# KiCad board for_real_486_rc13.kicad_pcb (continued)
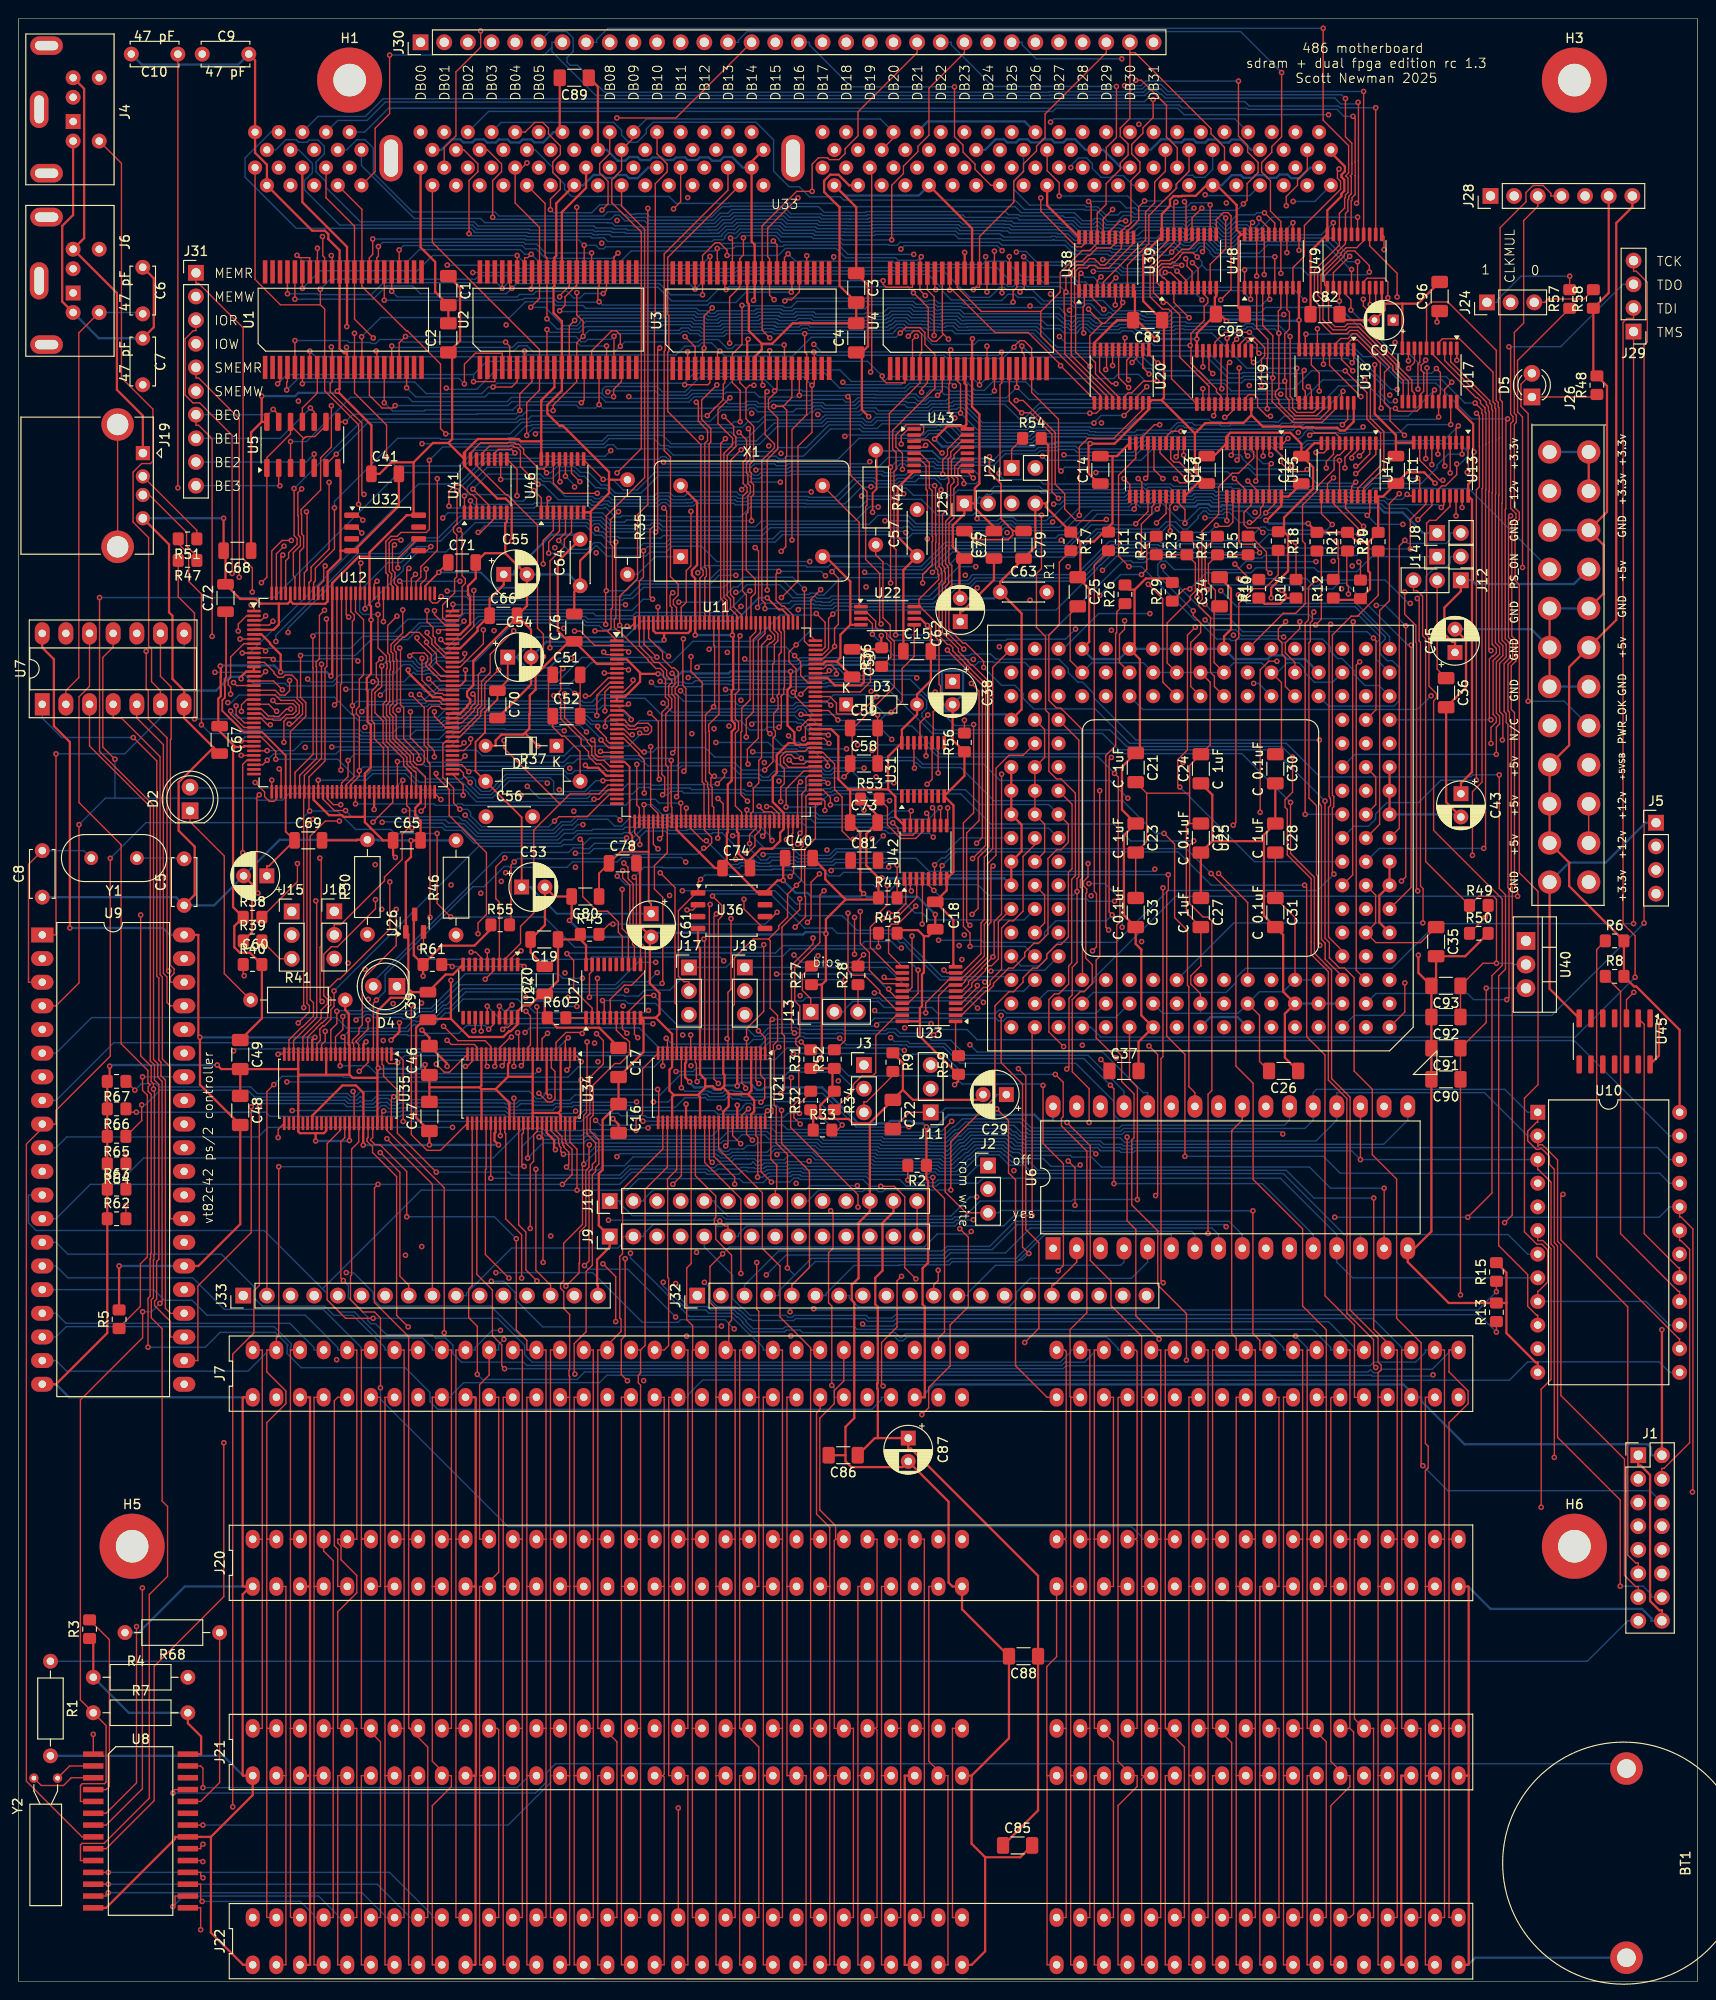
[diagram p0: board, top side]
## Routing (per net, layer and track width the routed paths; a pad name or vN(x,y) marks a point on that pad's centre or on a via; arc(x,y) is an arc through that point) (continued)
S1: length 83.6
  Top w0.15: U12.10 v1(24.03,142.68)
  In2.Cu w0.15: v1(63.61,164.43) 68.17,168.98 68.17,178.79 68.35,178.98 68.35,193.34 66.87,194.82 U33.30
  Bottom w0.15: v1(63.61,164.43) 63,163.82 56.42,163.82 56.2,163.6 50.05,163.6 47.28,160.83 42.96,160.83 24.81,142.68 v1(24.03,142.68)
S2: length 105.7
  Top w0.15: U12.9 26.24,143.18 v1(26.53,142.9)
  In2.Cu w0.15: U33.45 86.78,186.99 86.78,171.92 86.51,171.64 86.51,170.9 83.96,168.35 83.96,167.85 82.79,166.69 82.79,164.19 82.44,163.84 82.44,155.75 78.56,151.87 v1(78.56,149.36)
  Bottom w0.15: v1(78.56,149.36) 78.38,149.36 76.06,147.03 66.32,147.03 65.97,146.68 62.01,146.68 61.73,146.96 47.88,146.96 46.83,145.91 43.05,145.91 41.61,144.47 36.95,144.47 35.67,143.19 26.83,143.19 v1(26.53,142.9)
SA0: length 138.7
  Top w0.15: v1(44.05,139.9) 45.26,138.69 46.6,138.69 U12.91
  In1.Cu w0.15: U33.165 137.16,196.52 138.21,195.48 138.21,194.3 137.39,193.48 137.39,192.75 135.6,190.96 135.6,190.92 131,186.32 129.64,186.32 124.94,181.62 122.14,181.62 118.62,178.1 118.12,178.1 115.88,175.86 113.85,175.86 112.11,174.12 111.69,174.12 111.35,173.78 111.35,173.67 110.88,173.2 94.59,173.2 91.43,170.04 89.72,170.04 74.03,154.35 69.84,154.35 67.87,152.38 66.59,152.38 66.57,152.4 65.1,152.4 64.69,151.99 64.19,151.99 57.52,145.32 54.28,145.32 53.43,144.47 48.47,144.47 45.49,141.5 43.13,141.5 42.76,141.86 42.76,142.44 42.25,142.94 41.78,142.94 41.71,142.87 41.41,142.87 41.17,142.63 39.19,142.63 39.17,142.66 38.69,142.66 38.35,142.32 38.35,141.12 38.85,140.62 40.21,140.62 40.93,139.9 v1(44.05,139.9)
SA1: length 126.2
  Top w0.15: U12.90 45.66,138.18 45.51,138.34 44.77,138.34 43.34,139.77 v1(43.34,142.11) ; v1(136.18,190.72) 136.18,191.71 137.39,192.93 137.39,193.54 138.43,194.58 U33.166
  In1.Cu w0.15: v1(43.34,142.11) 45.18,142.11 49.91,146.84 53.45,146.84 59.03,152.43 62.59,152.43 63.21,153.05 64.25,153.05 67.14,155.94 67.89,155.94 68.24,156.29 73.73,156.29 v1(77.67,160.23) ; v1(81.83,161.04) 90.04,169.25 102.07,169.25 104.69,171.87 111.08,171.87 114.71,175.5 116.02,175.5 118.27,177.75 119.39,177.75 122.55,180.92 124.73,180.92 129.43,185.62 131.07,185.62 v1(136.18,190.72)
  Bottom w0.15: v1(77.67,160.23) 78.48,161.04 v1(81.83,161.04)
SA2: length 135.1
  Top w0.15: v1(43.07,138.22) 43.76,137.53 45.17,137.53 45.52,137.18 U12.88
  In1.Cu w0.15: v1(77.05,151.02) 84.52,158.49 88.68,158.49 93.72,163.52 97.57,163.52 99.98,165.94 103.17,165.94 106.47,169.23 109.68,169.23 115.06,174.62 116.25,174.62 116.57,174.93 118.85,174.93 122.03,178.11 123.75,178.11 126.96,181.32 128.31,181.32 139.52,192.53 139.52,193.49 138.61,194.4 138.61,195.39 139.7,196.48 U33.167
  In2.Cu w0.15: v1(43.07,138.22) 43.07,140.29 44.49,141.72 44.49,142.41 46.04,143.96 v1(46.04,149.34)
  Bottom w0.15: v1(77.05,151.02) 75.24,151.02 74.31,150.09 66.85,150.09 65.66,148.89 64.9,148.89 64.73,148.72 48.75,148.72 48.13,149.34 v1(46.04,149.34)
SBHE: length 65
  Top w0.15: J7.81 112.39,67.82 112.53,67.67 112.53,47.64 112.39,47.5 ; J21.81 112.53,27.18 ; 112.53,27.18 112.53,47.35 112.39,47.5 ; 112.53,27.18 112.53,6.86 J22.81 ; 112.39,47.5 J20.81
SCL: length 157
  Top w0.15: J28.4 164.61,191.77 164.61,192.05 163.76,192.9 162.69,192.9 161.93,192.13 161.93,191.14 159.15,188.36 159.15,169.89 159.38,169.65 159.38,165.87 159.38,158.78 159.35,158.74 159.35,144.06 159.8,143.61 159.8,142.26 159.1,141.56 159.1,136.39 159.44,136.04 159.44,133.39 v1(159.39,133.34) ; U11.63 79.18,123.83 78.52,123.17 v1(78.52,122.2)
  In1.Cu w0.15: v1(122.05,119.46) 131.75,129.16 155.21,129.16 v1(159.39,133.34)
  Bottom w0.15: v1(122.05,119.46) 121.82,119.23 97.81,119.23 96.42,120.63 90.59,120.63 90.48,120.52 87.64,120.52 87.36,120.24 83.62,120.24 83.44,120.42 82.47,120.42 82.11,120.77 80.68,120.77 80.36,120.46 79.74,120.46 78.52,121.67 v1(78.52,122.2)
SDA: length 131.6
  Top w0.15: v1(80.64,144.36) 79.81,143.54 79.81,131.44 79.51,131.14 79.51,128.72 78.92,128.13 78.92,125.71 78.68,125.47 U11.62
  In1.Cu w0.15: v1(95.08,159.79) 96.63,161.34 100.26,161.34 105.56,166.64 111.62,166.64 117.56,172.58 118.42,172.58 118.78,172.95 120.17,172.95 123.3,176.08 124.53,176.08 125.86,177.41 131.18,177.41 133.14,179.36 134.71,179.36 136.84,181.49 147.21,181.49 148.14,182.42 158.08,182.42 167.15,191.49 167.15,191.77 J28.5 ; v1(91.03,149.78) 91.03,149.61 85.78,144.36 v1(80.64,144.36)
  In2.Cu w0.15: v1(91.03,149.78) 93.94,152.69 93.94,158.65 v1(95.08,159.79)
SDRAM_HIGH_BUS: length 60.4
  Top w0.15: v1(27.36,141.99) 27.16,142.18 U12.11 ; v1(75.12,127.05) 75.68,126.49 U11.56
  In1.Cu w0.15: v1(36.44,141.82) 38.09,140.17 38.3,140.17 38.64,139.83 38.64,139.69 39.46,138.87 41.34,138.87 41.62,139.15 43.45,139.15 43.72,138.88 44.39,138.88 44.95,139.45 45.08,139.58 59.3,139.58 59.65,139.23 59.71,139.23 60.31,138.63 61.13,138.63 61.39,138.37 63.23,138.37 65.49,136.11 66.91,136.11 73.15,129.87 73.15,129.02 v1(75.12,127.05)
  Bottom w0.15: v1(27.36,141.99) 27.54,141.8 32.04,141.8 32.3,142.06 36.2,142.06 v1(36.44,141.82)
SDRAM_HWORD: length 190.8
  Top w0.15: U49.1 140.29,182.22 140.29,183.22 142.41,185.34 142.41,185.52 142.75,185.86 143.53,185.86 145.1,184.29 v1(145.1,183.6) ; v1(114.12,183.46) 113.92,183.26 U38.1 ; U12.37 v1(27.19,129.03) ; v1(126.61,185.22) 126.17,185.66 125.1,185.66 124.76,185.32 124.76,185.22 124.2,184.66 123.96,184.66 123.75,184.45 123.69,184.45 123.66,184.48 122.8,184.48 122.26,183.94 122.26,182.47 U39.1 ; U48.1 v1(131.69,183.83)
  In2.Cu w0.15: v1(114.12,183.46) 113.84,183.18 113.84,159.53 v1(111.07,156.76) ; v1(28.95,144.89) 28.95,142.25 26.04,139.34 26.04,136.93 26.12,136.85 26.12,135.37 26.11,135.36 26.11,130.11 v1(27.19,129.03)
  Bottom w0.15: 127.11,184.35 127.62,183.83 v1(131.69,183.83) 131.9,184.04 137.78,184.04 138.51,183.3 144.8,183.3 v1(145.1,183.6) ; 127.11,184.35 127.11,184.72 v1(126.61,185.22) ; 127.11,184.35 125.16,182.41 116.14,182.41 115.51,183.04 114.54,183.04 v1(114.12,183.46) ; v1(111.07,156.76) 110.85,156.54 107.07,156.54 106.72,156.89 105.66,156.89 105.31,156.54 98.33,156.54 98.29,156.58 96.41,156.58 95.53,157.46 92.31,157.46 91.35,156.5 80.54,156.5 79.87,155.84 69.1,155.84 68.76,156.17 68.73,156.17 68.64,156.27 68.16,156.27 67.94,156.04 63.42,156.04 63.07,156.39 63,156.39 62.48,156.91 61.71,156.91 61.56,156.76 61.5,156.76 61.22,157.03 47.66,157.03 47.15,156.52 47.06,156.52 46.72,156.18 46.72,156.09 45.33,154.7 42.77,154.7 41.73,153.66 41.73,153.55 41.19,153.01 36.6,153.01 28.95,145.35 v1(28.95,144.89)
SDRAM_LATCH: length 194.4
  Top w0.15: 128.65,187.65 128.65,189.21 129.43,189.98 129.9,189.98 130.24,189.65 130.24,181.72 v1(129.13,180.61) ; v1(115.1,173.47) 113.54,175.02 113.54,180.12 113.43,180.23 113.43,182.97 113.54,183.08 113.54,183.7 113.88,184.04 114.78,184.04 115.04,184.3 115.63,184.3 115.91,184.02 117.08,184.02 119.77,186.7 U38.11 ; U12.38 27.69,127 27.43,126.74 26.94,126.74 26.43,127.26 26.43,127.75 v1(25.41,128.77) ; v1(146.68,186.01) 146.68,187.41 146.44,187.65 ; U48.11 137.55,185.94 v1(137.54,185.94)
  In1.Cu w0.15: v1(92.34,158.36) 97.02,163.04 100.77,163.04 105.08,167.34 108.98,167.34 v1(115.1,173.47) 115.6,173.47 116.71,174.58 119.42,174.58 122.6,177.76 124.26,177.76 124.61,178.11 126.63,178.11 v1(129.13,180.61) 130.66,182.13 133.45,182.13 136.4,185.08 136.69,185.08 v1(137.54,185.94) 137.62,186.01 v1(146.68,186.01)
  In2.Cu w0.15: v1(27.64,143.92) 27.64,143.19 25.3,140.85 25.3,128.88 v1(25.41,128.77)
  Bottom w0.15: v1(92.34,158.36) 92.3,158.4 91.4,158.4 89.85,156.85 79.77,156.85 79.15,156.23 69.2,156.23 68.91,156.53 68.88,156.53 68.79,156.62 68.02,156.62 67.79,156.39 63.57,156.39 63.22,156.74 63.14,156.74 62.62,157.27 61.56,157.27 61.56,157.26 61.5,157.26 61.37,157.38 47.42,157.38 45.09,155.05 42.62,155.05 40.93,153.36 36.4,153.36 27.64,144.6 v1(27.64,143.92)
SDRAM_SCL: length 116.5
  Top w0.15: U12.97 47.43,141.68 47.92,142.17 v1(47.92,142.62)
  In1.Cu w0.15: v1(136.92,191.18) 136.92,190.64 130.25,183.98 128.41,183.98 123.18,178.75 121.8,178.75 120.45,177.4 118.42,177.4 116.17,175.15 114.86,175.15 110.09,170.38 106.92,170.38 106.66,170.12 103.84,170.12 100.13,166.41 99.88,166.41 98.97,165.5 98.97,165.42 98.63,165.08 98.36,165.08 97.68,164.41 94.1,164.41 88.66,158.97 83.05,158.97 67.84,143.75 58.53,143.75 58.19,144.09 54.06,144.09 53.73,143.77 49.08,143.77 v1(47.92,142.62)
  Bottom w0.15: v1(136.92,191.18) 139.24,191.18 U33.83
SDRAM_SDA: length 114.8
  Top w0.15: U12.96 47.43,141.18 49.93,143.68 v1(49.93,145.16)
  In1.Cu w0.15: U33.82 136.33,194.82 134.75,193.25 134.75,192.42 124.3,181.97 121.49,181.97 115.73,176.21 113.28,176.21 110.63,173.56 91.15,173.56 88.78,171.18 88.66,171.18 86.43,168.95 86.43,168.06 82.51,164.13 82.51,163.84 82.17,163.5 81.78,163.5 74.21,155.94 70.25,155.94 67.4,153.08 66.89,153.08 66.87,153.1 64.8,153.1 64.4,152.7 63.9,152.7 63.63,152.43 63.09,152.43 62.74,152.07 59.68,152.07 54.09,146.49 51.26,146.49 v1(49.93,145.16)
SHIFT_CLK_EN: length 99
  Top w0.15: U12.79 47.49,132.68 v1(47.85,133.04) ; v1(56.72,162.03) 56.72,162.13 56.4,162.45 ; v1(99.28,161.91) 99.28,163.43 99.78,163.93 99.78,164.59 101.28,166.09 U43.15 ; U41.15 48.54,164.18 49.62,165.26 53.3,165.26 53.45,165.11 53.71,165.11 54.25,164.56 54.25,164.11 55.91,162.45 56.4,162.45 ; 56.4,162.45 56.8,162.85 U46.15
  In2.Cu w0.15: v1(47.85,133.04) 46.96,133.93 46.96,143.5 50.66,147.21 50.66,157.5 55.19,162.03 v1(56.72,162.03)
  Bottom w0.15: v1(99.28,161.91) 99.05,162.14 95.62,162.14 95.29,161.8 94.29,161.8 94.2,161.71 94.08,161.71 94.07,161.7 92.86,161.7 92.7,161.86 83.02,161.86 82.9,161.74 79.92,161.74 79.58,161.41 78.82,161.41 78.47,161.75 68.76,161.75 66.85,159.85 64.12,159.85 63.24,160.73 62.58,160.73 61.23,162.08 60.34,162.08 59.74,162.68 57.79,162.68 57.15,162.03 v1(56.72,162.03)
SHIFT_EN: length 65.2
  Top w0.15: U46.1 56.14,159.34 v1(55.36,160.13) ; v1(94.82,165.13) 94.82,165.99 95.56,166.74 U43.1 ; U41.1 v1(47.89,159.56)
  In1.Cu w0.15: v1(94.82,165.13) 94.33,165.13 92.44,163.24 v1(91.44,163.24)
  Bottom w0.15: 48.2,159.7 52.57,159.7 53.27,159 54.23,159 v1(55.36,160.13) ; 48.2,159.7 48.03,159.7 v1(47.89,159.56) ; 48.2,159.7 48.2,160.49 50.33,162.63 57.24,162.63 57.73,163.12 59.88,163.12 60.39,162.61 78.65,162.61 78.96,162.92 78.96,162.92 79.05,163 81.2,163 81.4,162.8 82.46,162.8 82.66,163 91.2,163 v1(91.44,163.24)
SMEMR: length 107.8
  Top w0.15: J22.12 52.06,1.78 52.06,22.1 ; U24.14 49.7,102.07 v1(49.7,102.07) ; J7.12 52.06,62.74 52.06,42.42 52.06,42.42 ; J21.12 52.06,22.1 ; 52.06,22.1 52.06,42.42 ; J20.12 52.06,42.42
  In2.Cu w0.15: J7.12 52.06,62.74 51.62,63.18 51.62,68.66 50.94,69.33 50.94,74.22 49.7,75.47 v1(49.7,102.07)
SMEMW: length 107.7
  Top w0.15: 50.03,42.42 51.57,43.96 51.57,62.74 J7.11 ; 50.03,42.42 J20.11 ; 50.03,42.42 49.52,42.42 49.52,22.1 49.52,22.1 ; v1(48.89,102.09) 49.05,102.25 U24.13 ; J21.11 49.52,22.1 ; 49.52,22.1 49.52,1.78 J22.11
  In2.Cu w0.15: J7.11 50.55,64.86 49.15,66.25 49.15,70.48 48.37,71.26 48.37,97.82 48.89,98.34 v1(48.89,102.09)
SMIACT: length 65.1
  In1.Cu w0.15: v1(90.1,85.47) 90.61,85.97 92.82,85.97 99.5,92.66 99.5,92.78 107.7,100.98 113.84,100.98 v1(114.27,100.55)
  In2.Cu w0.15: U25.C12 118.06,106.3 118.06,104.76 117.29,103.99 116.75,103.99 115.58,102.82 115.58,101.86 v1(114.27,100.55)
  Bottom w0.15: v1(90.1,85.47) 85.01,85.47 84.57,85.03 68.19,85.03 67.17,84.01 67.17,83.82 J10.2
SPI_SS: length 125.7
  Top w0.15: U11.71 83.18,123.34 83.11,123.27 83.11,121.92 83.26,121.76 83.26,119.06 v1(82.87,118.68) ; v1(44.19,114.28) U12.71 44.19,130.77 43.93,131.03 43.93,132.41 43.57,132.76 43.57,136.81 v1(42.16,138.22) ; v1(36.97,156.95) 36.44,157.48 U32.1 ; v1(73.26,118.36) 72.98,118.08 U36.1 72.77,116.91 70.87,115.01 70.87,107.95 71.45,107.38 72.01,107.38 J17.2
  In1.Cu w0.15: J15.2 30.46,112.38 31.87,113.79 44.19,113.79 ; 44.19,113.79 44.34,113.64 56.52,113.64 61.39,108.77 61.39,107.71 63.28,105.82 66.59,105.82 67.25,106.48 70.77,106.48 70.88,106.37 J17.2 ; 44.19,113.79 v1(44.19,114.28)
  In2.Cu w0.15: v1(42.16,138.22) 40.91,139.47 40.91,142.17 36.63,146.45 36.63,151.66 36.19,152.1 36.19,156.16 v1(36.97,156.95)
  Bottom w0.15: v1(82.87,118.68) 82.71,118.84 73.74,118.84 v1(73.26,118.36)
sram_en: length 148.8
  Top w0.15: 29.21,167.2 29.21,167.14 30.63,165.72 ; 29.21,167.2 29.21,166.21 26.67,163.67 U5.1 26.67,150.82 v1(26.08,150.23) ; 29.21,167.2 U5.12 ; v1(62.92,140.54) 62.95,140.5 U11.8 ; 30.63,165.72 30.79,165.87 30.88,165.87 30.94,165.93 31.82,165.93 33.02,167.13 U5.9 ; 30.63,165.72 30.49,165.58 30.49,165.33 30.48,165.32 U5.4 ; J33.9 44.45,85.62 v1(39.56,90.51)
  In1.Cu w0.15: v1(57.5,138.1) 56.74,138.86 47.69,138.86 46.66,137.83 43.69,137.83 43.51,137.65 41.89,137.65 41.71,137.83 39.81,137.83 39.47,137.49 39.37,137.49 39.28,137.59 38.62,137.59 38.28,137.92 38.28,138.03 37.94,138.37 37.8,138.37 37.14,139.04 37.14,139.69 32.21,144.61 32.21,144.73 31.88,145.07 31.25,145.07 v1(26.08,150.23)
  In2.Cu w0.15: 57.54,138.06 v1(57.5,138.1) ; 57.54,138.06 54.85,135.38 54.85,132.21 53.13,130.49 53.13,130.07 52.79,129.73 52.79,128.05 52.68,127.94 52.68,123.43 50.6,121.36 50.6,121.29 50.22,120.91 50.22,117.58 50.16,117.52 50.16,117.17 50.22,117.12 50.22,116.55 49.93,116.26 49.93,112.29 49.77,112.13 49.77,110.44 49.87,110.34 49.87,109.39 51.05,108.2 51.05,107.16 45.9,102 45.55,102 39.36,95.81 39.36,94.17 39.79,93.73 39.79,90.74 v1(39.56,90.51) ; 57.54,138.06 58.35,138.87 58.78,138.87 59.99,140.08 62.46,140.08 v1(62.92,140.54)
STPCLK: length 107.2
  Top w0.15: v1(139.33,145.7) 139.94,146.31 139.94,153.16 R21.2
  In1.Cu w0.15: U25.G15 113.37,117.73 133.3,137.66 133.3,143.34 135.43,145.47 139.11,145.47 v1(139.33,145.7) ; v1(106.91,87.09) 106.31,86.48 103.56,86.48 98.21,81.14 88.4,81.14 87.49,80.22 87.49,80.01 J9.10
  In2.Cu w0.15: U25.G15 110.22,116.24 110.22,98.39 108.96,97.13 108.96,89.13 v1(106.91,87.09)
TC: length 202.5
  Top w0.15: 90.16,22.1 90.16,22.1 90.16,1.78 J22.27 ; 90.16,22.1 90.16,42.42 J20.27 ; 90.16,22.1 J21.27 ; v1(60.78,76.89) 61.28,77.39 61.28,86.96 61.63,87.31 61.63,87.74 61.98,88.1 61.98,90.07 61.05,91 61.05,92.86 61.37,93.18 61.37,96.42 61.41,96.46 61.41,97.15 62.81,98.54 62.81,101.06 v1(62.08,101.79) ; U46.3 57.44,155.86 56.36,154.77 v1(56.36,152.25)
  In1.Cu w0.15: v1(70.58,71.36) 82.32,71.36 v1(82.87,71.92) ; v1(58.69,108.32) 58.69,106.86 62.08,103.47 v1(62.08,101.79) ; v1(56.36,152.25) 56.82,152.25 58.01,153.44 v1(62.04,153.44)
  In2.Cu w0.15: v1(82.87,71.92) 83.12,71.66 86.5,71.66 89.67,68.49 89.67,63.26 90.2,62.74 ; v1(62.04,153.44) 62.04,152.53 66.59,147.99 66.59,136.85 65.84,136.11 65.57,136.11 65.23,135.77 65.23,135.54 63.72,134.03 63.72,129.61 63.79,129.54 63.79,128.45 63.44,128.1 63.44,127.28 62.21,126.05 62.28,125.99 62.28,122.35 61.97,122.05 61.97,121.95 61.44,121.42 61.44,120.16 61.09,119.81 61.09,119.23 61.27,119.06 61.27,117.96 60.81,117.5 60.81,115.44 60.45,115.08 60.45,110.61 58.69,108.85 v1(58.69,108.32) ; 90.2,62.74 J7.27 ; 90.2,62.74 90.16,62.7 90.16,42.42 J20.27
  Bottom w0.15: v1(60.78,76.89) 61.18,76.5 65.45,76.5 v1(70.58,71.36)
TE0: length 201.8
  Top w0.15: 63.32,145.05 63.64,145.37 63.64,147.39 63.8,147.55 63.8,154.14 63.58,154.36 63.58,157.01 v1(64.44,157.86) ; 63.32,145.05 63.32,144.96 U11.1 ; 63.32,145.05 v1(61.9,145.05) ; U17.19 v1(153.84,167.21)
  In1.Cu w0.15: v1(61.9,145.05) 61.31,144.46 59.43,144.46 v1(58.56,145.33)
  In2.Cu w0.15: v1(64.44,157.86) 69.27,162.7 v1(69.27,163.18) ; v1(58.56,145.33) 58.56,143.24 53.1,137.78 53.1,133.43 49.01,129.35 48.27,129.35 46.27,127.35 46.27,123.8 44.8,122.32 44.8,105.56 40.65,101.42 40.65,100.86 40.25,100.46 38.45,100.46 34.29,96.3 J33.5
  Bottom w0.15: v1(69.27,163.18) 69.47,162.98 78.53,162.98 78.81,163.27 78.82,163.27 78.98,163.43 81.26,163.43 81.55,163.15 82.32,163.15 82.6,163.43 87.96,163.43 90.27,165.74 97.33,165.74 97.83,166.24 98.77,166.24 99.74,165.27 108.92,165.27 109.22,165.57 109.32,165.57 109.65,165.91 114.65,165.91 114.81,165.75 115.35,165.75 115.47,165.63 120.13,165.63 120.24,165.75 120.81,165.75 120.99,165.92 135.74,165.92 136.11,166.29 136.59,166.29 137.15,165.74 137.65,165.74 138.05,166.13 138.05,166.25 138.17,166.37 138.45,166.65 138.93,166.65 139.21,166.37 141.73,166.37 141.82,166.27 142.59,166.27 142.69,166.37 148.35,166.37 149.2,167.21 v1(153.84,167.21)
TE1: length 182.6
  Top w0.15: v1(59.71,145.03) 60.34,145.03 61.87,143.5 U11.2 ; U18.19 142.77,167.76 v1(142.21,167.2)
  In1.Cu w0.15: v1(88.76,165.96) 76.75,153.95 74.03,153.95 72.03,151.96 68.25,151.96 65.54,149.24 63.92,149.24 v1(59.71,145.03)
  In2.Cu w0.15: J33.6 36.83,74.79 37.86,75.82 37.86,96.52 39.21,97.87 39.21,98.49 40.47,99.75 40.55,99.75 42.75,101.95 42.75,102.41 43.08,102.75 43.18,102.75 45.73,105.3 45.73,118.41 50.02,122.7 50.02,123.26 51.62,124.87 51.62,130.19 51.95,130.52 51.95,130.8 53.8,132.64 53.8,136.23 57.58,140.01 58.28,140.01 59.94,141.67 59.94,144.81 v1(59.71,145.03)
  Bottom w0.15: v1(142.21,167.2) 142.04,167.37 138.18,167.37 138.01,167.21 137.95,167.21 137.86,167.3 137.09,167.3 136.79,167 135.82,167 135.54,166.72 130.25,166.72 130.24,166.72 126.25,166.72 126.08,166.9 125.28,166.9 125.1,167.08 124.62,167.08 124.28,166.74 124.28,166.64 123.91,166.27 120.84,166.27 120.67,166.1 120.09,166.1 120.05,166.05 115.55,166.05 115.5,166.1 114.95,166.1 114.8,166.26 109.5,166.26 109.17,165.93 109.08,165.93 108.77,165.62 100.51,165.62 99.51,166.61 98.89,166.61 98.83,166.66 98.77,166.66 98.7,166.59 97.68,166.59 97.18,166.09 88.89,166.09 v1(88.76,165.96)
TE2: length 168.1
  Top w0.15: U11.3 65.31,143 v1(65.53,142.79) ; U19.19 131.77,170.05 132.16,170.44 132.7,170.44 133.1,170.04 133.1,169.13 134.12,168.11 v1(134.48,168.11)
  In1.Cu w0.15: v1(134.48,168.11) 133.79,167.42 123.5,167.42 123.14,167.78 122.18,167.78 120.14,165.75 107.67,165.75 101.91,159.98 100.74,159.98 93.24,152.48 89.98,152.48 84.21,146.72 81.64,146.72 78.6,143.68 73.95,143.68 73.2,142.92 65.67,142.92 v1(65.53,142.79)
  In2.Cu w0.15: v1(65.53,142.79) 65.53,142.32 61.84,138.63 60.65,138.63 60.31,138.29 60.31,138.04 56.36,134.09 56.36,131.11 53.49,128.24 53.49,127.76 53.38,127.65 53.38,122.97 52.02,121.61 51.85,121.61 51.3,121.06 51.3,120.71 50.92,120.33 50.92,117.41 50.93,117.41 50.93,116.26 50.71,116.04 50.71,111.23 50.93,111.01 50.93,110.35 50.71,110.13 50.71,109.04 51.4,108.35 51.4,107.01 46.05,101.65 45.75,101.65 39.72,95.63 39.72,94.3 40.15,93.88 40.15,75.56 39.37,74.79 J33.7
TE3: length 170.5
  Top w0.15: v1(38.84,89.02) 40.96,86.9 40.96,75.74 41.91,74.79 J33.8 ; v1(113.95,157.47) 113.95,164.82 114.87,165.75 117.67,165.75 120.77,168.85 U20.19 ; U11.4 63.13,142.5 v1(62.85,142.78)
  In2.Cu w0.15: 62.48,142.78 v1(62.85,142.78) ; 62.48,142.78 60.48,140.78 59.55,140.78 58.43,139.66 57.73,139.66 54.15,136.08 54.15,132.5 52.3,130.65 52.3,130.3 51.97,129.97 51.97,124.31 50.37,122.7 50.37,122.55 49.73,121.91 49.73,121.62 49.8,121.55 49.8,121.49 48.78,120.46 48.78,112.29 49.07,111.99 49.07,110.9 49.18,110.79 49.18,109.58 50.7,108.06 50.7,107.33 47.05,103.68 45.65,103.68 41.28,99.31 40.53,99.31 40.12,98.89 40.12,97.54 38.58,96 38.58,89.29 v1(38.84,89.02) ; 62.48,142.78 62.48,151.1 61.47,152.12 61.47,155.36 v1(62.09,155.99)
  Bottom w0.15: v1(62.09,155.99) 62.39,155.69 62.78,155.69 63.29,155.18 64.4,155.18 64.55,155.02 68.98,155.02 69.26,155.3 79.9,155.3 80.74,156.14 94.97,156.14 95.07,156.24 95.66,156.24 96.02,155.87 98,155.87 98.05,155.82 105.59,155.82 105.61,155.84 105.61,155.85 105.95,156.18 106.42,156.18 106.76,155.85 106.76,155.84 106.78,155.82 112.3,155.82 v1(113.95,157.47)
UNUSED0: length 50.4
  Top w0.15: U12.61 39.19,132.49 38.23,133.45 38.23,135.12 37.93,135.42 37.93,138.57 38.44,139.08 38.44,139.15 38.64,139.35 38.64,139.83 38.42,140.05 38.42,141.58 v1(38.93,142.08) ; U11.139 v1(68.68,147.61)
  In1.Cu w0.15: v1(68.68,147.61) 65.17,144.11 59.17,144.11 58.8,144.47 53.94,144.47 53.59,144.12 48.87,144.12 47.94,143.2 47.68,143.2 47.35,142.86 47.35,142.73 45.71,141.09 42.95,141.09 42.48,141.56 39.64,141.56 39.12,142.08 v1(38.93,142.08)
UP: length 60
  In1.Cu w0.15: U25.C11 120.6,106.3 120.6,104.8 119.56,103.76 119.09,103.76 118.26,102.93 118.26,102.45 112.63,96.82 111.5,96.82 105.29,90.61 99.13,90.61 92.71,84.19 92.71,83.45 91.1,81.84 81.52,81.84 80.15,80.48 80.15,79.54 80.81,78.88 81.85,78.88 82.69,79.73 82.69,80.01 J9.9
USBD+: length 65.9
  Top w0.15: v1(18.89,135.6) 18.89,146.97 17.14,148.71 R47.2 ; U11.23 63.46,133 63.14,133.32 63.14,133.57 62.21,134.5 v1(62.21,134.8)
  Bottom w0.15: v1(62.21,134.8) 61.99,135.02 61.49,135.02 60.91,135.61 57.97,135.61 57.86,135.5 57.57,135.5 57.43,135.63 47.38,135.63 46.93,135.18 46.44,135.18 46.31,135.06 45.81,135.06 45.49,134.74 40.83,134.74 40.21,134.12 36.96,134.12 36.65,134.43 30.74,134.43 30.72,134.4 24.03,134.4 22.83,135.6 v1(18.89,135.6)
USBD-: length 68.1
  Top w0.15: U11.24 63.39,132.5 v1(62.56,133.33) ; R51.2 17.14,154.44 18.27,153.32 18.27,150.38 19.64,149.01 v1(19.64,134.97)
  Bottom w0.15: v1(19.64,134.97) 20.58,134.03 36.55,134.03 36.81,133.77 42.04,133.77 42.66,134.38 45.64,134.38 45.96,134.7 46.46,134.7 46.58,134.83 47.08,134.83 47.46,135.21 48.33,135.21 48.4,135.28 57.29,135.28 57.42,135.14 58.01,135.14 58.12,135.25 60.76,135.25 62.56,133.46 v1(62.56,133.33)
W/R: length 213.9
  Top w0.15: U23.6 101.32,106.37 102.04,107.1 102.04,107.36 103.51,108.83 103.51,108.89 104.06,109.44 v1(104.67,110.05) 104.79,110.18 104.79,113.84 105.59,114.64 v1(105.59,129.66) ; U20.1 121.42,174.8 v1(122.39,173.83) ; U18.1 143.42,174.03 v1(143.26,173.87) ; 154.5,175.41 v1(154.5,174.13) ; v1(132.65,173.89) 132.42,174.13 U19.1
  In1.Cu w0.15: v1(143.26,173.87) 143.57,173.87 144.81,172.64 153,172.64 v1(154.5,174.13) ; v1(116.32,167.39) 121.01,172.07 121.68,172.07 122.39,172.79 v1(122.39,173.83) 123.04,174.47 132.08,174.47 v1(132.65,173.89) ; v1(104.67,110.05) 103.79,109.17 101.1,109.17 101.06,109.21 86.02,109.21 80.17,103.36 80.17,101.93 78.56,100.32 68.54,100.32 67.58,99.36 56.31,99.36 34.18,77.23 28.54,77.23 25.26,73.94 25.26,73.66 J33.1
  In2.Cu w0.15: v1(116.32,167.39) 116.32,161.84 116.27,161.79 116.27,152.88 107.9,144.51 107.9,134.24 U25.N17 105.59,131.93 v1(105.59,129.66)
  Bottom w0.15: v1(143.26,173.87) 142.81,174.32 133.58,174.32 133.15,173.89 v1(132.65,173.89)
WTWB: length 31.1
  Bottom w0.15: U25.B13 115.75,103.99 106.12,103.99 105.79,104.32 105.31,104.32 104.94,103.95 98.76,103.95 98.1,104.61 92.99,104.61 92.33,105.26 92.32,105.25 91.55,105.25 91.52,105.27 89.61,105.27 88.76,104.42 88.76,104.14 J13.2
x00: length 91.7
  Top w0.15: U12.34 26.22,130.68 v1(26.7,131.16) ; v1(58.89,97.88) 59.22,98.22 U34.2 ; U11.18 65.09,135.5 65.23,135.37 65.23,135.29 65.69,134.83 66.16,134.83 66.46,135.14 67.62,135.14 68,134.76 68,134.27 67.66,133.93 66.86,133.93 v1(66.72,134.08)
  In2.Cu w0.15: v1(66.72,134.08) 66.51,133.87 66.51,133.67 66.18,133.33 66.06,133.33 64.42,131.69 64.42,129.9 64.49,129.83 64.49,128.16 64.14,127.81 64.14,126.85 62.98,125.69 62.98,122.06 62.68,121.76 62.68,121.66 62.15,121.13 62.15,119.87 61.8,119.52 61.92,119.4 61.97,119.35 61.97,117.17 61.61,116.81 61.61,115.24 61.51,115.14 61.51,114.62 61.16,114.27 61.16,110.31 59.62,108.78 59.62,105.45 58.82,104.65 58.82,101.94 58.47,101.59 58.47,98.3 v1(58.89,97.88)
  Bottom w0.15: v1(66.72,134.08) 66.72,133.87 65.52,132.68 59.64,132.68 58.6,131.64 49.79,131.64 49.19,132.23 34.48,132.23 34.09,131.84 27.39,131.84 v1(26.7,131.16)
x01: length 118.4
  Top w0.15: U11.17 63.5,136 63.02,135.52 v1(63.02,134.78) ; v1(59.05,101.35) 58.72,101.03 U34.3 ; v1(24.07,121.23) 24.07,130.72 24.54,131.18 U12.33
  In2.Cu w0.15: v1(23.09,99.94) 23.09,120.24 v1(24.07,121.23) ; v1(59.05,101.35) 59.48,100.92 59.48,97.63 59.09,97.24 58.64,97.24 58.12,97.76 58.12,108.78 60.1,110.77 60.1,117.29 60.91,118.1 60.91,118.91 60.74,119.08 60.74,119.96 61.09,120.31 61.09,121.56 61.62,122.09 61.62,122.2 61.93,122.5 61.93,125.84 61.82,125.95 61.82,126.16 62.73,127.07 62.73,128.11 63.37,128.75 63.37,134.43 v1(63.02,134.78)
  Bottom w0.15: v1(59.05,101.35) 57.85,100.15 23.31,100.15 v1(23.09,99.94)
x02: length 97.7
  Top w0.15: U34.5 57.72,100.85 58.81,101.93 60.43,101.93 v1(60.55,101.81) ; U12.32 v1(23.9,131.68) ; v1(65.81,135.53) 65.81,135.73 65.04,136.5 U11.16
  In1.Cu w0.15: v1(60.55,101.81) 59.04,103.33 v1(59.04,105.69)
  In2.Cu w0.15: v1(22.48,137.35) 22.2,137.07 22.2,133.39 v1(23.9,131.68) ; v1(65.81,135.53) 64.07,133.79 64.07,129.75 64.14,129.69 64.14,128.3 63.79,127.95 63.79,127.05 62.63,125.9 62.63,122.21 62.33,121.9 62.33,121.8 61.79,121.27 61.79,120.02 61.44,119.67 61.44,119.38 61.62,119.2 61.62,117.81 61.37,117.57 61.37,117.07 61.21,116.9 61.21,115.34 61.16,115.28 61.16,114.76 60.8,114.41 60.8,110.46 59.27,108.93 59.27,105.92 v1(59.04,105.69)
  Bottom w0.15: v1(22.48,137.35) 22.84,137.35 23.65,138.16 27.56,138.16 27.78,137.93 33.93,137.93 35.76,136.1 36.33,136.1 36.62,135.81 39.49,135.81 39.51,135.79 45.05,135.79 46,136.74 57.82,136.74 57.89,136.66 62.37,136.66 62.74,137.04 64.3,137.04 v1(65.81,135.53)
x03: length 93.8
  Top w0.15: v1(65.52,137.21) 65.32,137 U11.15 ; U12.31 26.67,132.18 v1(26.69,132.2) ; v1(55.89,95.39) 55.89,95.38 56.8,94.46 57.28,94.46 57.62,94.8 57.62,97.74 57.22,98.13 U34.6